# Altium PCB 转接板.PcbDoc (continued)
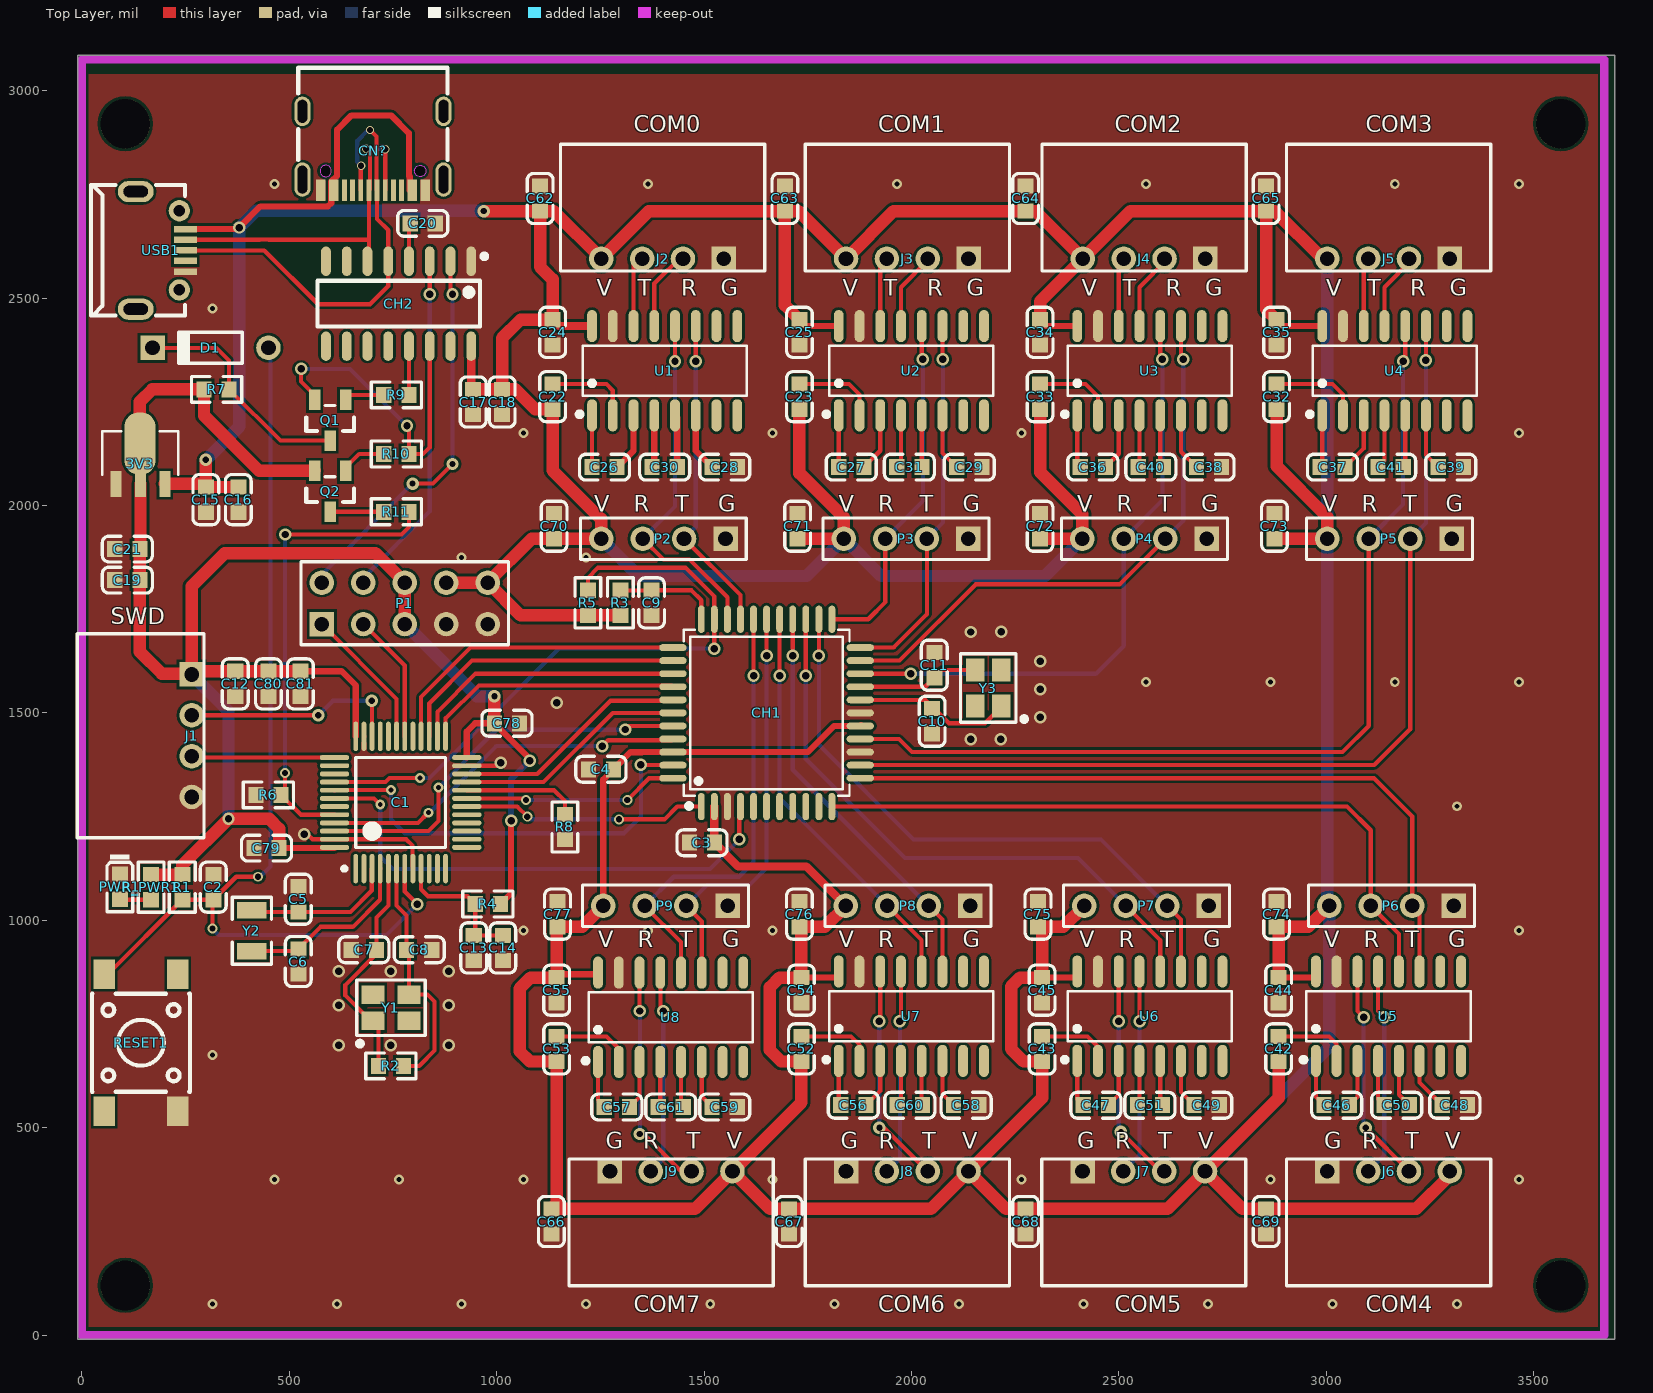
[diagram p0: Top Layer view]
## Part data
3V3: library part CJA1117B-ADJ, BOM_JLCPCB Part Class="Extended Part", BOM_Manufacturer=CJ, BOM_Manufacturer Part=CJA1117B-ADJ, BOM_Supplier=LCSC, BOM_Supplier Part=C107222, spicePre=U, spiceSymbolName=CJA1117B-ADJ
C1: "STM32 ARM-based 32-bit MCU with 64 Kbytes Flash, 48-pin LQFP, Industrial Temperature", ComponentLink1Description="Manufacturer Link", ComponentLink1URL=www.st.com/stm32, ComponentLink2Description=Datasheet, ComponentLink2URL=http://www.st.com/stonline/products/literature/ds/13587.pdf, DatasheetVersion="rev6, Mar-2008", PackageDescription="48-Pin Low-Profile Quad Flat Pack, 7 x 7 mm Body, 0.5 mm Pitch (LQFP48)", PackageReference=LQFP48, PackageVersion=Mar-2008, Published=30-May-2008, Publisher="Altium Limited"
C2 C9 C10 C11 C12 C14 C16 C18 C20 C21 C22 C23 C24 C25 C26 C27 C28 C29 C30 C31 C32 C33 C34 C35 C36 C37 C38 C39 C40 C41 C42 C43 C44 C45 C46 C47 C48 C49 C50 C51 C52 C53 C54 C55 C56 C57 C58 C59 C60 C61: library part "0603 100nF (104) 10% 50V", "贴片电容", Package=0603, SuppliersPartNumber=C14663, ComponentLink1Description=供应, ComponentLink1URL=http://www.szlcsc.com/product/details_15331.html, Supplier=LC
C3 C4: library part "0603 100pF (101) 5% 50V", "贴片电容", Package=0603, SuppliersPartNumber=C14858, ComponentLink1Description=供应, ComponentLink1URL=http://www.szlcsc.com/product/details_15530.html, Supplier=LC
C5 C6: library part "0603 10pF (100) 5% 50V", "贴片电容", Package=0603, SuppliersPartNumber=C1634, ComponentLink1Description=供应, ComponentLink1URL=http://www.szlcsc.com/product/details_1986.html, Supplier=LC
C7 C8: library part "0603 22pF (220) 5% 50V", "贴片电容", Package=0603, SuppliersPartNumber=C1653, ComponentLink1Description=供应, ComponentLink1URL=http://www.szlcsc.com/product/details_2005.html, Supplier=LC
C13 C17: library part "0603 10uF (106) 10% 10V", "贴片电容", Package=0603, SuppliersPartNumber=C19702, ComponentLink1Description=供应, ComponentLink1URL=http://www.szlcsc.com/product/details_20411.html, Supplier=LC
C15 C19: library part "0603 22uF (226) 20% 6.3V", "贴片电容", Package=0603, SuppliersPartNumber=C59461, ComponentLink1Description=供应, ComponentLink1URL=http://www.szlcsc.com/product/details_60514.html, Supplier=LC
C62 C63 C64 C65 C66 C67 C68 C69 C70 C71 C72 C73 C74 C75 C76 C77 C78 C79 C80 C81: library part "0603 1uF (105) 10% 50V", "贴片电容", Package=0603, SuppliersPartNumber=C15849, ComponentLink1Description=供应, ComponentLink1URL=http://www.szlcsc.com/product/details_16531.html, Supplier=LC
CH2: library part CH340G_[C14267], "USB", Package=SOIC-16_150mil, SuppliersPartNumber=C14267, ComponentLink1Description=供应, ComponentLink1URL=http://www.szlcsc.com/product/details_14927.html, Supplier=LC
CN?: BOM_Manufacturer="Korean Hroparts Elec", BOM_Manufacturer Part=TYPE-C-31-M-18, BOM_Supplier=LCSC, BOM_Supplier Part=C530609, Contributor=LCSC, spicePre=U, spiceSymbolName=TYPE-C-31-M-18
D1: library part "Diode 1N4148", "High Conductance Fast Diode", Code_JEDEC=DO-204-AH, ComponentLink1Description="Manufacturer Link", ComponentLink1URL=http://www.fairchildsemi.com/, ComponentLink2Description=Datasheet, ComponentLink2URL=http://www.fairchildsemi.com/ds/1N%2F1N4148.pdf, DatasheetVersion=1997, LatestRevisionDate=17-Jul-2002, LatestRevisionNote="Re-released for DXP Platform.", PackageDescription="Diode, Axial; Body 3.8 x 1.9 mm (LxDia. max), Lead Dia. 0.53 mm (max)", PackageReference=DO-35, Published=8-Jun-2000, Publisher="Altium Limited"
P1: library part "Header 5X2A", "Header, 5-Pin, Dual row", LatestRevisionDate=17-Jul-2002, LatestRevisionNote="Re-released for DXP Platform.", Publisher="Altium Limited"
P2 P3 P4 P5 P6 P7 P8 P9: "Header, 4-Pin", LatestRevisionDate=17-Jul-2002, LatestRevisionNote="Re-released for DXP Platform.", Publisher="Altium Limited"
PWR1: library part "0603 蓝灯", "发光二极管", Package=0603, SuppliersPartNumber=C72041, ComponentLink1Description=供应, ComponentLink1URL=http://www.szlcsc.com/product/details_73150.html, Supplier=LC
Q1: library part "SOT-23 SS8050 Y1", "三极管", Package=SOT-23, SuppliersPartNumber=C2150, ComponentLink1Description=供应, ComponentLink1URL=http://www.szlcsc.com/product/details_2507.html, Supplier=LC
Q2: library part "SOT-23 SS8550 Y2", "三极管", Package=SOT-23, SuppliersPartNumber=C8542, ComponentLink1Description=供应, ComponentLink1URL=http://www.szlcsc.com/product/details_9037.html, Supplier=LC
R1 R3 R4 R5 R6 R7 R8: library part "0603 10KΩ (1002) 1%", "贴片电阻", Package=0603, SuppliersPartNumber=C25804, ComponentLink1Description=供应, ComponentLink1URL=http://www.szlcsc.com/product/details_26547.html, Supplier=LC
R2: library part "0603 1MΩ (1004) 1%", "贴片电阻", Package=0603, SuppliersPartNumber=C22935, ComponentLink1Description=供应, ComponentLink1URL=http://www.szlcsc.com/product/details_23662.html, Supplier=LC
R9 R10 R11 R_PWR1: library part "0603 1KΩ (1001) 1%", "贴片电阻", Package=0603, SuppliersPartNumber=C21190, ComponentLink1Description=供应, ComponentLink1URL=http://www.szlcsc.com/product/details_21904.html, Supplier=LC
RESET1: BOM_Manufacturer="XKB Connectivity(中国", BOM_Manufacturer Part=TS-1102SD-C-C-B, BOM_Supplier=LCSC, BOM_Supplier Part=C2935209, Contributor=LCSC, spicePre=S, spiceSymbolName=TS-1102SD-C-C-B
U1 U2 U3 U4 U5 U6 U7 U8: BOM_JLCPCB Part Class="Extended Part", BOM_Manufacturer="Texas Instruments", BOM_Manufacturer Part=MAX232D, BOM_Supplier=LCSC, BOM_Supplier Part=C350552, Contributor=LCSC, spicePre=U, spiceSymbolName=MAX232D
USB1: BOM_JLCPCB Part Class="Extended Part", BOM_Manufacturer="SHOU HAN", BOM_Manufacturer Part=MicroXNJ, BOM_Supplier=LCSC, BOM_Supplier Part=C404969, Contributor=LCSC, spicePre=U, spiceSymbolName=MICROXNJ
Y1 Y3: library part "SMD-3225_4P  12MHZ 20PF 10PPM", "贴片晶振", Package=SMD-3225_4P, SuppliersPartNumber=C9002, ComponentLink1Description=供应, ComponentLink1URL=http://www.szlcsc.com/product/details_9522.html, Supplier=LC
Y2: library part "SMD-3215_2P 32.768KHz 20ppm 12.5pF", "贴片晶振", Package=SMD-3215_2P, SuppliersPartNumber=C32346, ComponentLink1Description=供应, ComponentLink1URL=http://www.szlcsc.com/product/details_33310.html, Supplier=LC

## Free pads (board coordinates)
  round 118.11 hole 120: 2(105,120) 2(105,2920) 2(3565,120) 2(3565,2920)

## Via types
v1: diameter 30, hole 18, Top Layer to Bottom Layer, tented both sides, 49 vias
v2: diameter 24, hole 12, Top Layer to Bottom Layer, 41 vias
v3: diameter 24, hole 15, Top Layer to Bottom Layer, 7 vias
v4: diameter 30, hole 15, Top Layer to Bottom Layer, 7 vias
v5: diameter 30, hole 18, Top Layer to Bottom Layer, 7 vias
v6: diameter 24, hole 12, Top Layer to Bottom Layer, tented both sides, 5 vias
v7: diameter 30, hole 15, Top Layer to Bottom Layer, tented both sides, 4 vias
v8: diameter 20, hole 15, Top Layer to Bottom Layer, 4 vias

## Nets (pads, with @x,y where several pads share a name; then routed paths per layer and width w, separated by ;. In a path a pad name is that pad's centre, name@x,y a point inside that pad or via, vN(x,y) a via of type N, cw(c..) or ccw(c..) an arc to the next point about the centre after c; other vN are vias at no path point)
3V3: 3V3.2 C1.24 C1.36 C1.48 C12.2 C19.2 C21.2 C78.2 C79.2 C80.2 C81.2 J1.1 P1.3 P1.8 Q2.2 R1.2 R4.2 R7.2 R_PWR1.1 | length 4577.6
  Top Layer w15: C79.2 C1.48@609.27,1174.07 ; C81.2 626.38,1600.32 660.45,1566.25 C1.36 ; C1.24 928.16,1455 948.16,1475 C78.2 1080,1389.68 v1(1080,1385) ; R4.2 1035,1065.21 v1(1035,1240) v1@1038.66,1236.34
  Top Layer w20: J1.1 J1.1@272.68,1600.32
  Top Layer w30: 3V3.2@140.32,2149.37 140.32,2250.32 170,2280 R7.2 294.69,2216.5 427.92,2083.27 Q2.2 ; 3V3.2@141.66,2051.97 141.66,1896.35 C21.2 C19.2 140.32,1647.32 193.27,1594.37 J1.1@265,1594.37 ; R_PWR1.1 R1.2 242.31,1132.96 v1(353.72,1244.37) 452.06,1244.37 475.63,1220.8 C79.2 ; J1.1 J1.1@265,1594.37 ; J1.1@272.68,1600.32 C12.2 C80.2 C81.2 ; P1.3 P1.8 707.77,1885 345,1885 265,1805 J1.1@265,1594.37 ; C78.2 v4(994.69,1540.32)
  Bottom Layer w15: v1(1035,1240) 1035,1340 v1(1080,1385)
  Bottom Layer w30: J1.1 353.72,1503.92 v1(353.72,1244.37) ; P1.3 952.45,1540.32 v4(994.69,1540.32)
5V: 3V3.3 C3.2 C4.2 C15.2 C16.2 C17.2 C18.1 C22.1 C23.1 C24.1 C25.1 C32.1 C33.1 C34.1 C35.1 C42.1 C43.1 C44.1 C45.1 C52.1 C53.1 C54.1 C55.1 C62.2 C63.2 C64.2 C65.2 C66.2 C67.2 C68.2 C69.2 C70.2 C71.2 C72.2 C73.2 C74.2 C75.2 C76.2 C77.2 CH1.2 CH1.16 CH1.42 CH2.16 CN?.A4 CN?.A9 CN?.B4 CN?.B9 J2.4 J3.4 J4.4 J5.4 J6.4 J7.4 J8.4 J9.4 P1.9 P1.10 P2.4 P3.4 P4.4 P5.4 P6.4 P7.4 P8.4 P9.4 R3.2 R5.2 U1.16 U2.16 U3.16 U4.16 U5.16 U6.16 U7.16 U8.16 USB1.1 | length 20650
  Top Layer w15: USB1.1 376.18,2666.18 v1(380,2670) 430.78,2720.78 593.42,2720.78 601.33,2728.69 601.33,2759.61 CN?.A9 601.61,2781.14 615.51,2795.04 615.51,2905.51 650,2940 746.24,2940 788.51,2897.74 788.51,2792.95 790.59,2792.95 CN?.B9 ; C17.2@938.72,2284.45 C17.2 ; C55.1 1152.75,870 1238.14,870 U8.16@1244.81,876.67 ; P9.4 1256.93,1339.28 C4.2 1322.65,1405 1350,1405 1350.51,1405.51 1750.51,1405.51 1813.5,1468.5 CH1.16 CH1.16@1878.07,1470 ; R3.2@1298.43,1734.88 R3.2 ; C23.1@1724.69,2237.38 C23.1 ; C25.1 1745.12,2432.58 U2.16 ; C54.1 1824.49,862.06 1824.62,862.19 U7.16 ; P3.4@1835,1917.95 P3.4 ; C34.1 2325.12,2432.58 U3.16 ; C45.1 2394.69,862.06 2399.54,866.91 U6.16 ; C35.1 2895.12,2432.58 U4.16 ; C44.1 2974.81,862.06 U5.16
  Top Layer w20: C17.2@938.72,2284.45 CH2.16 ; C24.1 1150.12,2432.58 U1.16 ; CH1.2 1524.8,1187.58 C3.2 1582.38,1130 1746.74,1130 P8.4
  Top Layer w30: 3V3.3 291.67,2051.97 C15.2 ; v4(299.11,2110) C15.2 ; C16.2 C15.2 ; P1.9 P1.10 ; C17.2 C18.1 ; v4(969.09,2709.68) C62.2 ; P9.4 1206.61,984.68 C77.2 1144.81,982.69 C55.1 1082.06,862.06 1055.32,835.32 1055.32,684.37 1080,659.69 C53.1 1144.81,317.1 C66.2 1477.72,304.29 J9.4 ; R3.2@1298.43,1734.88 R5.2 1057.89,1734.88 P1.10 ; C71.2 1833.27,1919.68 P3.4@1835,1917.95 ; C23.1 1730,2078.18 1836.93,1971.25 P3.4 ; C25.1 1695,2482.7 C63.2 ; P8.4 1791.42,984.68 C76.2 1734.81,979.88 C54.1 1682.06,862.06 1658.42,838.43 1658.42,687.44 1686.18,659.69 C52.1 1734.81,561.38 J9.4 ; J3.4@1843.59,2594.88 J3.4@1842.98,2595.5 ; C72.2 2411.65,1919.68 P4.4 2411.85,1978.77 2310,2080.63 C33.1 ; C34.1 2310,2491.73 J4.4 ; P7.4 2366.34,984.68 C75.2 2314.81,974.88 C45.1 2262.06,862.06 2240,840 2240,690 2270.31,659.69 C43.1 2314.81,572.17 J8.4 ; J4.4@2418.51,2594.88 J4.4@2415.83,2597.56 ; C73.2 3002.05,1919.68 P5.4 3002.24,1972.76 2880,2095 C32.1 ; C35.1 2855,2472.7 C65.2 ; C42.1 2884.81,572.17 J7.4 ; C44.1 2884.81,979.88 C74.2 2956.74,984.68 P6.4 ; J5.4 2990.35,2594.88 2875.55,2709.68 C65.2 ; J6.4 3297.64,385.59 3216.34,304.29 C69.2 2798.35,304.29 J7.4 ; P1.10 1084.34,1919.68 C70.2 1251.75,1919.68 P2.4 1251.95,1967.69 1135,2084.64 C22.1 1092.93,2232.07 1045.31,2279.69 C18.1 ; C18.1 1013.48,2403.48 1057.7,2447.7 C24.1 1135,2545 1105,2575 C62.2 ; C62.2 1137.56,2709.68 J2.4 1367.16,2709.68 C63.2 ; J9.4 1659.13,304.29 C67.2 2046.93,304.29 J8.4 ; C63.2 1727.56,2709.68 J3.4 J3.4@1842.98,2595.5 ; J3.4@1842.98,2595.5 1957.16,2709.68 C64.2 2298.35,2709.68 J4.4 ; J8.4 2228.35,304.29 C68.2 2616.93,304.29 J7.4 ; J4.4 J4.4@2415.83,2597.56 ; J4.4@2415.83,2597.56 2527.95,2709.68 C65.2
  Bottom Layer w15: P7.4@2407.29,1025.63 P7.4 ; P4.4 P4.4@2416.85,1924.88
  Bottom Layer w30: v4(299.11,2110) 380,2190.89 v1(380,2670) 420.2,2710.2 968.57,2710.2 v4(969.09,2709.68) ; P2.4@1251.75,1919.68 P2.4 1341.83,1830 1747.05,1830 P3.4 1926.81,1830 2321.97,1830 P4.4 ; P9.4@1256.62,1035.31 P9.4 ; P8.4@1841.42,1035.31 P8.4 ; P7.4@2416.34,1035.31 P7.4 ; J7.4 3007.05,694.41 P6.4 ; P6.4@3002.37,1030.31 P6.4 ; J5.4 3002.24,2594.77 P5.4 3002.24,1039.81 P6.4
A6/ALE: C1.42 CH1.4 | length 1229
  Top Layer w10: C1.42 704.66,1293.9 v6(719.5,1279.06) ; v1(1585,1195) 1585,1271.42 CH1.4
  Bottom Layer w10: v6(719.5,1279.06) 719.5,1154.29 749.79,1124 1514,1124 v1(1585,1195)
BOOT0: C1.44 R6.1 R11.1 | length 1131.8
  Top Layer w10: v3(490,1355.25) 490,1312.05 R6.1 528.15,1254.53 C1.44 ; v1(490,1930) 770.63,1930 788.72,1948.08 R11.1
  Bottom Layer w10: v3(490,1355.25) v1(490,1930) v1@498.4,1930
BOOT1: C1.20 R8.1 | length 279.6
  Top Layer w10: C1.20 1138.58,1313.58 1164.81,1287.36 R8.1
"CH340 D+": CH2.5 CN?.A6 CN?.B6 USB1.3 | length 1120.1
  Top Layer w10: USB1.3 440,2615 570,2485 694.64,2485 738.72,2529.07 CH2.5 738.72,2663.59 711.85,2690.46 CN?.A6 710.54,2761.18 710.54,2889.46 v8(695,2905) ; CN?.B6 672.48,2818.14 v8(673.4,2819.07)
  Bottom Layer w10: v8(673.4,2819.07) 664,2828.47 664,2878.98 690.02,2905 v8(695,2905)
"CH340 D-": CH2.6 CN?.A7 CN?.B7 USB1.2 | length 866.1
  Top Layer w10: USB1.2 428.82,2640.59 429.23,2641 450.77,2641 451.18,2640.59 691.58,2640.59 692.17,2640 ; v8(685,2860) 694.4,2850.6 694.4,2762.1 CN?.A7 692.17,2640 ; CH2.6 692.17,2592.23 692.17,2640 ; CN?.B7 v8(731.54,2858.46)
  Bottom Layer w10: v8(685,2860) 730,2860 v8(731.54,2858.46)
CS#: C1.41 CH1.43 | length 1042.2
  Top Layer w10: C1.41 609.74,1314.06 v6(745.32,1314.06) ; v1(1347.66,1375) 1348.64,1374.02 CH1.43
  Bottom Layer w10: v6@745.63,1314.06 v6(745.32,1314.06) 745.32,1243.71 779.03,1210 1307.16,1210 1347.66,1250.49 v1(1347.66,1375)
D0: C1.45 CH1.41 | length 899.5
  Top Layer w10: C1.45 810.79,1234.84 v6(835.32,1259.37) ; v1(1255,1420) 1269,1434 1421.99,1434 CH1.41
  Bottom Layer w10: v6(835.32,1259.37) 838.62,1259.37 999.25,1420 v1(1255,1420)
D1: C1.46 CH1.40 | length 968.2
  Top Layer w10: C1.46 836.1,1215.16 860.32,1239.37 v6(860.32,1320.5) ; v1(1310,1460) 1318.5,1468.5 CH1.40
  Bottom Layer w10: v6(860.32,1320.5) 999.19,1459.37 1309.37,1459.37 v1(1310,1460)
D2: C1.21 CH1.39 | length 565.9
  Top Layer w10: C1.21 1113.27,1333.27 1280,1500 CH1.39
D3: C1.22 CH1.38 | length 570.8
  Top Layer w10: C1.22 1097.95,1352.95 1274.36,1529.36 1422.87,1529.36 CH1.38
D4: C1.25 CH1.37 | length 627.5
  Top Layer w10: C1.25 876.98,1487.32 878.27,1487.32 957.26,1566.32 1421.68,1566.32 CH1.37 CH1.37@1425,1564.53
D5: C1.26 CH1.36 | length 664.9
  Top Layer w10: C1.26 857.3,1502.64 949.15,1594.49 CH1.36
D6: C1.27 CH1.35 | length 709.5
  Top Layer w10: C1.27 837.61,1522.95 940.64,1625.98 CH1.35
D7: C1.28 CH1.34 | length 751.2
  Top Layer w10: C1.28 817.93,1538.27 937.14,1657.48 CH1.34
GND: 3V3.1 C1.8 C1.23 C1.35 C1.47 C2.2 C3.1 C4.1 C5.2 C6.2 C7.1 C8.1 C9.1 C10.1 C11.1 C12.1 C13.1 C14.2 C15.1 C16.1 C17.1 C18.2 C19.1 C20.1 C21.1 C24.2 C25.2 C28.1 C29.1 C34.2 C35.2 C38.1 C39.1 C44.2 C45.2 C48.1 C49.1 C54.2 C55.2 C58.1 C59.1 C62.1 C63.1 C64.1 C65.1 C66.1 C67.1 C68.1 C69.1 C70.1 C71.1 C72.1 C73.1 C74.1 C75.1 C76.1 C77.1 C78.1 C79.1 C80.1 C81.1 CH1.3 CH1.14 CH1.17 CH2.1 CN?.A1 CN?.A12 CN?.B1 CN?.B12 J1.4 J2.1 J3.1 J4.1 J5.1 J6.1 J7.1 J8.1 J9.1 P1.4 P1.5 P2.1 P3.1 P4.1 P5.1 P6.1 P7.1 P8.1 P9.1 PWR1.K R6.2 R8.2 RESET1.2 U1.15 U2.15 U3.15 U4.15 U5.15 U6.15 U7.15 U8.15 USB1.5 | length 413.9
  Top Layer w10: v1(536.62,1207.05) 544.53,1207.05 556.1,1195.47 C1.47 782.1,1195.47 797.46,1180.11 797.46,1125.39 C1.8 ; C1.35 C1.35@680.91,1442.72 ; C1.23 1003.58,1372.64 v1(1010.32,1379.37)
  other v1: 620.03,699.37 745.32,699.37 885,699.37 620.03,795 885,795 620.03,877.43 745.32,877.43 885,877.43 1145,1525
  other v2: 315,75 615,75 915,75 1215,75 1515,75 1815,75 2115,75 2415,75 2715,75 3015,75 3315,75 465,375 765,375 1065,375 1665,375 2265,375 2865,375 3465,375 315,675 1065,975 1365,975 1665,975 3465,975 3315,1275 2565,1575 2865,1575 3165,1575 3465,1575 915,1875 1215,1875 1065,2175 1665,2175 2265,2175 3465,2175 315,2475 465,2775 1365,2775 1965,2775 2565,2775 3165,2775 3465,2775
  other v5: 2143.01,1437.01 2215,1437.01 2310,1490 2310,1557.43 2310,1625 2143.01,1695 2216.5,1695.61
INT: C1.40 CH1.32 R5.1 | length 1547.8
  Top Layer w10: C1.40 732,1333.27 741.84,1343.11 v6(815.32,1343.11) ; R5.1 1220,1825.46 1244.54,1850 1455,1850 1524.8,1780.2 CH1.32 v1(1524.8,1655)
  Bottom Layer w10: v6(815.32,1343.11) 838.11,1343.11 1150,1655 v1(1524.8,1655)
NetC1_9: C1.9 C13.2 C14.1 R4.1 | length 342.1
  Top Layer w10: C1.9 817.93,1074.84 834.66,1058.11 929.79,1058.11 R4.1 948.53,967.41 C13.2 C14.1
NetC20_2: C20.2 CH2.4 | length 92.4
  Top Layer w10: CH2.4 788.72,2677.09 C20.2
NetC22_2: C22.2 U1.2 | length 211.5
  Top Layer w10: C22.2 1264.69,2292.7 1280,2277.38 U1.2
NetC23_2: C23.2 U2.2 | length 205.5
  Top Layer w10: C23.2 1849.49,2292.7 1874.81,2267.38 U2.2
NetC26_1: C26.1 U1.3 | length 141.2
  Top Layer w15: C26.1 1330,2132.07 U1.3
NetC26_2: C26.2 U1.1 | length 124.9
  Top Layer w10: C26.2 1230,2092.7 U1.1
NetC27_1: C27.1 U2.3 | length 141.2
  Top Layer w10: C27.1 1924.81,2131.87 U2.3
NetC27_2: C27.2 U2.1 | length 124.9
  Top Layer w10: C27.2 1824.69,2217.06 U2.1
NetC28_2: C28.2 U1.6 | length 141.2
  Top Layer w15: U1.6 1480,2132.07 C28.2
NetC29_2: C29.2 U2.6 | length 139
  Top Layer w10: U2.6 2074.81,2126.67 C29.2
NetC30_1: C30.1 U1.5 | length 127
  Top Layer w15: U1.5 1435.32,2211.87 C30.1
NetC30_2: C30.2 U1.4 | length 127
  Top Layer w15: C30.2 1380,2097.7 U1.4
NetC31_1: C31.1 U2.5 | length 125
  Top Layer w10: U2.5 2024.81,2092.89 C31.1
NetC31_2: C31.2 U2.4 | length 129
  Top Layer w10: C31.2 1974.81,2102.5 U2.4
NetC32_2: C32.2 U4.2 | length 220.7
  Top Layer w10: C32.2 3014.69,2292.7 3040.12,2267.26 U4.2
NetC33_2: C33.2 U3.2 | length 197.6
  Top Layer w10: C33.2 2419.69,2292.7 2449.73,2262.65 U3.2
NetC36_1: C36.1 U3.3 | length 138.2
  Top Layer w10: C36.1 2499.73,2124.63 U3.3
NetC36_2: C36.2 U3.1 | length 127.8
  Top Layer w10: U3.1 2399.73,2099.5 C36.2
NetC37_1: C37.1 U4.3 | length 143.4
  Top Layer w10: C37.1 3090.12,2137.19 U4.3
NetC37_2: C37.2 U4.1 | length 127.1
  Top Layer w10: C37.2 2990.12,2097.82 U4.1
NetC38_2: C38.2 U3.6 | length 140.2
  Top Layer w10: U3.6 2649.73,2129.5 C38.2
NetC39_2: C39.2 U4.6 | length 137
  Top Layer w10: U4.6 3240.12,2121.94 C39.2
NetC40_1: C40.1 U3.5 | length 128
  Top Layer w10: U3.5 2599.73,2100.13 C40.1
NetC40_2: C40.2 U3.4 | length 126
  Top Layer w10: C40.2 2549.73,2095.26 U3.4
NetC41_1: C41.1 U4.5 | length 126.8
  Top Layer w10: C41.1 3190.12,2097.19 U4.5
NetC41_2: C41.2 U4.4 | length 131.2
  Top Layer w10: C41.2 3140.12,2107.82 U4.4
NetC42_2: C42.2 U5.2 | length 188.5
  Top Layer w10: C42.2 3006.74,720.32 3024.81,702.24 U5.2
NetC43_2: C43.2 U6.2 | length 145.1
  Top Layer w10: C43.2 2424.49,720.32 U6.2@2449.54,695.27
NetC46_1: C46.1 U5.3 | length 115.1
  Top Layer w10: C46.1 3074.81,573.98 U5.3
NetC46_2: C46.2 U5.1 | length 115.1
  Top Layer w10: U5.1 2974.81,573.98 C46.2
NetC47_1: C47.1 U6.3 | length 117.2
  Top Layer w10: C47.1 2499.54,579.02 U6.3
NetC47_2: C47.2 U6.1 | length 113.1
  Top Layer w10: U6.1 2399.54,568.93 C47.2
NetC48_2: C48.2 U5.6 | length 129.6
  Top Layer w10: U5.6 3224.81,608.98 C48.2
NetC49_2: C49.2 U6.6 | length 120.2
  Top Layer w10: U6.6 2649.54,586.1 C49.2
NetC50_1: C50.1 U5.5 | length 117.5
  Top Layer w10: U5.5 3174.81,579.61 C50.1
NetC50_2: C50.2 U5.4 | length 113.1
  Top Layer w10: U5.4 3124.81,568.98 C50.2
NetC51_1: C51.1 U6.5 | length 109.3
  Top Layer w10: U6.5 2599.54,559.88 C51.1
NetC51_2: C51.2 U6.4 | length 109.1
  Top Layer w10: C51.2 2549.54,559.33 U6.4
NetC52_2: C52.2 U7.2 | length 187.1
  Top Layer w10: C52.2 1854.49,720.32 1874.62,700.19 U7.2
NetC53_2: C53.2 U8.2 | length 193.8
  Top Layer w10: C53.2 1264.68,720.32 1294.54,690.46 U8.2
NetC56_1: C56.1 U7.3 | length 121.3
  Top Layer w10: C56.1 1924.62,588.78 U7.3
NetC56_2: C56.2 U7.1 | length 109
  Top Layer w10: U7.1 1824.62,559.17 C56.2
NetC57_1: C57.1 U8.3 | length 118.9
  Top Layer w10: C57.1 1344.54,574.42 U8.3
NetC57_2: C57.2 U8.1 | length 115
  Top Layer w10: U8.1 1244.54,564.95 C57.2
NetC58_2: C58.2 U7.6 | length 118.1
  Top Layer w10: U7.6 2074.62,581.1 C58.2
NetC59_2: C59.2 U8.6 | length 119.1
  Top Layer w10: U8.6 1494.54,574.95 C59.2
NetC60_1: C60.1 U7.5 | length 107.7
  Top Layer w10: U7.5 2024.62,556.05 C60.1
NetC60_2: C60.2 U7.4 | length 110.7
  Top Layer w10: C60.2 1974.62,563.16 U7.4
NetC61_1: C61.1 U8.5 | length 111.1
  Top Layer w10: U8.5 1444.54,555.58 C61.1
NetC61_2: C61.2 U8.4 | length 110.9
  Top Layer w10: C61.2 1394.54,555.05 U8.4
NetCH2_13: CH2.13 R9.2 | length 117.8
  Top Layer w10: CH2.13 788.72,2266.71 R9.2@789.03,2266.39
NetCH2_14: CH2.14 Q1.2 R10.2 | length 756.5
  Top Layer w10: v1(528.72,2329.06) 528.72,2298.99 Q1.2@561.31,2266.39 ; v1@788.72,2179.06 R10.2 822.65,2124.09 838.71,2140.16 CH2.14@838.71,2396.69
  Bottom Layer w10: v1(528.72,2329.06) 646.64,2329.06 v1(784.03,2191.66)
NetD1_2: D1.2 Q1.3 R7.1 | length 566.5
  Top Layer w10: D1.2 325,2380 355.32,2349.68 R7.1 479.02,2156.29 587.04,2156.29 Q1.3@598.71,2167.97
NetPWR1_A: PWR1.A R_PWR1.2 | length 75.4
  Top Layer w10: PWR1.A 93.1,1049.69 R_PWR1.2
NetQ1_1: Q1.1 R9.1 | length 92.3
  Top Layer w10: Q1.1@636.12,2266.39 R9.1 R9.1@728.4,2266.39
NetQ2_1: Q2.1 R10.1 | length 113.7
  Top Layer w10: Q2.1 636.12,2091.46 668.75,2124.09 R10.1
NetQ2_3: Q2.3 R11.2 | length 150.5
  Top Layer w10: Q2.3@598.71,1969.06 Q2.3 R11.2 R11.2@733.4,1984.84
OSC32_IN: C1.3 C5.1 Y2.2 | length 365
  Top Layer w10: Y2.2 413.81,1020.41 C5.1 647.52,1020.41 699.04,1071.92 699.04,1123.83 C1.3
OSC32_OUT: C1.4 C6.1 Y2.1 | length 435.3
  Top Layer w10: Y2.1 516.66,925.79 C6.1 575.25,984.37 653.4,984.37 718.72,1049.69 718.72,1123.83 C1.4
OSC_IN: C1.5 C7.2 R2.1 Y1.1 | length 554.9
  Top Layer w10: R2.1 715,744.88 Y1.1 696.42,757.87 635.32,818.98 635.32,844.37 710.32,919.37 C7.2 710.32,1006.6 739.19,1035.47 C1.5
OSC_OUT: C1.6 C8.2 R2.2 Y1.3 | length 593
  Top Layer w10: C1.6 758.87,1035.81 783.08,1011.6 C8.2 788.62,923.52 Y1.3 833.82,820.87 850.32,804.37 850.32,685.87 813.5,649.06 R2.2
PA9: C1.30 P1.2 | length 311.9
  Top Layer w10: P1.2 778.56,1614.21 C1.30
PA10: C1.31 P1.1 | length 345.2
  Top Layer w10: P1.1 758.87,1533.9 C1.31
RD#: C1.19 CH1.44 | length 520.2
  Top Layer w10: C1.19 1066.82,1293.9 v3(1070.72,1290) ; v3(1315.06,1290) 1367.58,1342.52 CH1.44
  Bottom Layer w10: v3(1070.72,1290) v3(1315.06,1290)
RESET: C1.7 C2.1 D1.1 R1.1 RESET1.3 | length 2490.6
  Top Layer w10: RESET1.3@50.89,869.72 RESET1.3@60.32,879.14 ; RESET1.3 62.97,870.35 R1.1 C2.1 ; v3(315,980) 315,1047.62 C2.1 ; v3(425,1105) 372.38,1105 C2.1 ; C1.7 778.56,1069.21 v1(808.72,1039.06)
  Bottom Layer w10: v3(315,980) 330,965 734.66,965 v1(808.72,1039.06) ; v3(425,1105) 429.76,1105 454.76,1130 454.76,2380 D1.1@454.76,2400
RST#: C9.2 CH1.33 R3.1 | length 250.6
  Top Layer w10: R3.1 1373.43,1795.44 C9.2 1469.49,1795.51 1493.31,1771.69 CH1.33
RXD: CH2.3 P1.7 | length 841
  Top Layer w10: v1(838.72,2509.06) CH2.3
  Bottom Layer w10: P1.7 678.71,1825.87 838.72,1985.87 v1(838.72,2509.06)
RXD0: CH1.31 P2.3 U1.12 | length 860.8
  Top Layer w10: P2.3 1401.83,1870 1465,1870 1556.3,1778.7 CH1.31 ; v1(1430,2347.38) U1.12
  Bottom Layer w10: P2.3 1430,1997.94 v1(1430,2347.38)
RXD0_232: J2.2 U1.13 | length 201.4
  Top Layer w10: U1.13 1380,2535 J2.2@1450,2605
RXD1: CH1.23 P3.3 U2.12 | length 850
  Top Layer w10: CH1.23 1895.79,1725.79 1936.93,1766.93 P3.3 ; U2.12 2024.81,2355.05 v1(2027.47,2352.38)
  Bottom Layer w10: P3.3 2027.47,2010.43 v1(2027.47,2352.38)
RXD1_232: J3.2 U2.13 | length 190.8
  Top Layer w10: U2.13 1974.81,2526.1 J3.2@2043.59,2594.88
RXD2: CH1.20 P4.3 U3.12 | length 1465.9
  Top Layer w10: CH1.20@1885.43,1594.37 v1(1998.56,1594.37) ; U3.12 2599.73,2357.65 v1(2605,2352.38)
  Bottom Layer w10: v1(1998.56,1594.37) 2444.37,1594.37 2511.85,1661.85 P4.3 2605,2013.03 v1(2605,2352.38)
RXD2_232: J4.2 U3.13 | length 190.8
  Top Layer w10: U3.13 2549.73,2526.1 J4.2@2618.51,2594.88
RXD3: CH1.15 P5.3 U4.12 | length 2264.8
  Top Layer w10: CH1.15 1970.26,1437.01 2001.54,1405.73 3039.04,1405.73 3102.24,1468.94 P5.3 ; v1(3185,2347.38) 3190.12,2352.5 U4.12
  Bottom Layer w10: P5.3 3185,2002.64 v1(3185,2347.38)
RXD3_232: J5.2 U4.13 | length 190.8
  Top Layer w10: U4.13 3140.12,2526.1 J5.2@3208.9,2594.88
RXD4: CH1.11 P6.3 U5.12 | length 1691
  Top Layer w10: CH1.11 3050,1274.21 3107.05,1217.16 P6.3 3174.81,967.24 U5.12
RXD4_232: J6.2 U5.13 | length 504
  Top Layer w10: U5.13 3124.81,781.46 v1(3139.79,766.48)
  Bottom Layer w10: J6.2 3139.79,434.01 v1(3139.79,766.48)
RXD5: CH1.25 P7.3 U6.12 | length 1447.3
  Top Layer w10: v1(1745.28,1590) CH1.25 ; P7.3 2599.54,952.12 U6.12
  Bottom Layer w10: v1(1745.28,1590) 1745.28,1389.3 1984.58,1150 2401.66,1150 P7.3
RXD5_232: J7.2 U6.13 | length 497.9
  Top Layer w10: U6.13 2549.54,757.06 v1(2549.81,756.79)
  Bottom Layer w10: J7.2 2549.81,434.02 v1(2549.81,756.79)
RXD6: CH1.27 P8.3 U7.12 | length 998.2
  Top Layer w10: v1@1682.28,1585 v1(1682.28,1590) 1682.28,1720.35 1685,1723.07 CH1.27 ; P8.3 2024.62,952.12 U7.12
  Bottom Layer w10: v1(1682.28,1590) 1682.28,1294.45 P8.3
RXD6_232: J8.2 U7.13 | length 495.7
  Top Layer w10: v1(1972.27,756.79) 1974.62,759.13 U7.13
  Bottom Layer w10: J8.2 1972.27,426.49 v1(1972.27,756.79)
RXD7: CH1.29 P9.3 U8.12 | length 1093.7
  Top Layer w10: P9.3 1444.54,947.39 U8.12 ; v1@1619.29,1585 v1(1619.29,1590) CH1.29
  Bottom Layer w10: P9.3 1426.93,1105 1584.21,1105 1619.29,1140.08 v1(1619.29,1590)
RXD7_232: J9.2 U8.13 | length 499.5
  Top Layer w10: U8.13@1394.81,876.67 1394.81,783.96 1397.29,781.48 v1(1401.61,781.48)
  Bottom Layer w10: J9.2 1401.61,425.04 v1(1401.61,781.48)
SWCLK: C1.37 J1.3 | length 339.8
  Top Layer w10: J1.3@270.32,1394.37 272.36,1392.32 C1.37
SWDIO: C1.34 J1.2 | length 533.8
  Top Layer w10: J1.2@266.27,1494.37 266.43,1494.21 v7(570,1494.21) ; v7(699.04,1529.36) 699.82,1528.58 699.82,1494.82 ; C1.34 699.82,1494.82 ; 700,1495 699.82,1494.82
  Bottom Layer w10: v7(570,1494.21) 605.15,1529.36 v7(699.04,1529.36)
TXD: CH2.2 P1.6 | length 935.9
  Top Layer w10: v7(797.46,2052.66) 846.38,2052.66 v7(893.72,2100) ; CH2.2 888.72,2514.06 v1(893.72,2509.06)
  Bottom Layer w10: P1.6 578.71,1833.91 v7(797.46,2052.66) ; v7(893.72,2100) v1(893.72,2509.06)
TXD0: CH1.30 P2.2 U1.11 | length 774.7
  Top Layer w10: P2.2 1587.8,1784.03 CH1.30 ; v1(1480,2347.38) U1.11
  Bottom Layer w10: P2.2 1480,1947.94 v1(1480,2347.38)
TXD0_232: J2.3 U1.14 | length 181.4
  Top Layer w10: U1.14 1330,2583.43 J2.3@1351.57,2605
TXD1: CH1.22 P3.2 U2.11 | length 896.6
  Top Layer w10: CH1.22 1957.2,1657.48 2037.68,1737.96 2037.68,1903.13 P3.2@2020.93,1919.88 ; U2.11 2074.81,2353.48 v1(2075.91,2352.38)
  Bottom Layer w10: P3.2@2048.24,1931.2 2075.91,1958.86 v1(2075.91,2352.38)
TXD1_232: J3.3 U2.14 | length 170.1
  Top Layer w10: U2.14 1924.81,2576.1 J3.3@1943.59,2594.88
TXD2: CH1.21 P4.2 U3.11 | length 1373.8
  Top Layer w10: CH1.21 1970.98,1625.98 2155,1810 2501.97,1810 P4.2 ; U3.11 2649.73,2357.65 v1(2655,2352.38)
  Bottom Layer w10: P4.2@2623.16,1931.2 2655,1963.03 v1(2655,2352.38)
TXD2_232: J4.3 U3.14 | length 170.1
  Top Layer w10: U3.14 2499.73,2576.1 J4.3@2518.51,2594.88
TXD3: CH1.13 P5.2 U4.11 | length 2349.3
  Top Layer w10: CH1.13 3115.51,1374.02 3202.24,1460.75 P5.2 ; v1(3240.12,2349.88) U4.11
  Bottom Layer w10: P5.2 3240.12,1957.76 v1(3240.12,2349.88) v1@3240,2349.75
TXD3_232: J5.3 U4.14 | length 170.1
  Top Layer w10: U4.14 3090.12,2576.1 J5.3@3108.9,2594.88
TXD4: CH1.12 P6.2 U5.11 | length 1749.8
  Top Layer w10: CH1.12 3115,1342.52 3207.05,1250.47 P6.2 3224.81,1017.24 U5.11
TXD4_232: J6.3 U5.14 | length 533.2
  Top Layer w10: U5.14 3074.81,781.46 v1(3089.79,766.48) ; v4(3095,500) 3199.21,395.79 J6.3
  Bottom Layer w10: v1(3089.79,766.48) 3089.79,505.21 v4(3095,500)
TXD5: CH1.24 P7.2 U6.11 | length 1475.2
  Top Layer w10: v1(1776.77,1637.99) CH1.24 ; P7.2 2649.54,1002.12 U6.11
  Bottom Layer w10: v1(1776.77,1637.99) 1776.77,1423.23 2005,1195 2456.66,1195 P7.2
TXD5_232: J7.3 U6.14 | length 532.5
  Top Layer w10: U6.14 2499.54,757.06 v1(2499.81,756.79) ; v4(2505,490) 2600,395 J7.3
  Bottom Layer w10: v1(2499.81,756.79) 2499.81,495.19 v4(2505,490)
TXD6: CH1.26 P8.2 U7.11 | length 981.6
  Top Layer w10: 1713.78,1655 CH1.26 ; P8.2 2074.62,1002.12 U7.11
  Bottom Layer w10: v1(1713.78,1637.99) 1713.78,1362.96 P8.2
TXD6_232: J8.3 U7.14 | length 539.9
  Top Layer w10: v1(1922.27,756.79) 1924.62,759.13 U7.14 ; v4(1922.87,500) 1934.21,500 J8.3
  Bottom Layer w10: v1@1920.74,755.26 v1(1922.27,756.79) 1922.27,500.6 v4(1922.87,500)
TXD7: CH1.28 P9.2 U8.11 | length 995.8
  Top Layer w10: P9.2 1494.54,997.39 U8.11 ; 1650.79,1655 CH1.28
  Bottom Layer w10: P9.2 1506.93,1085 1610,1085 1650.79,1125.79 v1(1650.79,1637.99) v1@1647.29,1634.5
TXD7_232: J9.3 U8.14 | length 554.3
  Top Layer w10: U8.14@1344.81,876.67 1344.81,781.99 v1(1345.32,781.48) ; v4(1345,485) 1355,485 1445,395 J9.3
  Bottom Layer w10: v4(1345,485) 1345.32,485.32 v1(1345.32,781.48)
WR#: C1.18 CH1.1 | length 590.6
  Top Layer w10: C1.18 1049.66,1274.21 v3(1074.04,1249.83) ; v3(1295,1243.48) 1404.66,1243.48 1435.39,1274.21 CH1.1
  Bottom Layer w10: v3(1074.04,1249.83) 1080.38,1243.48 v3(1295,1243.48)
XI: C10.2 CH1.18 Y3.1 | length 401.8
  Top Layer w10: CH1.18@1857.01,1531.5 CH1.18 2033.82,1531.5 2055,1510.31 2090.31,1475 2177.56,1475 2216.5,1513.93 Y3.1
XO: C11.2 CH1.19 Y3.3 | length 293.6
  Top Layer w10: CH1.19 2033.31,1562.99 C11.2 2073.62,1603.31 Y3.3
pads on no net: C1.1 C1.2 C1.10 C1.11 C1.12 C1.13 C1.14 C1.15 C1.16 C1.17 C1.29 C1.32 C1.33 C1.38 C1.39 C1.43 CH1.5 CH1.6 CH1.7 CH1.8 CH1.9 CH1.10 CH2.7 CH2.8 CH2.9 CH2.10 CH2.11 CH2.12 CH2.15 CN?.1 CN?.2 CN?.3 CN?.4 CN?.A5 CN?.A8 CN?.B5 CN?.B8 RESET1.1 RESET1.4 U1.7 U1.8 U1.9 U1.10 U2.7 U2.8 U2.9 U2.10 U3.7 U3.8 U3.9 U3.10 U4.7 U4.8 U4.9 U4.10 U5.7 U5.8 U5.9 U5.10 U6.7 U6.8 U6.9 U6.10 U7.7 U7.8 U7.9 U7.10 U8.7 U8.8 U8.9 U8.10 USB1.4 USB1.6 USB1.7 USB1.8 USB1.9 Y1.2 Y1.4 Y3.2 Y3.4

## Polygon pours and split planes (outlines as drawn)
GND on Bottom Layer "Bottom Layer-GND" (solid, remove dead copper, pour order 12): 10.02,3040 3695,3040 3695,20 19.79,20
GND on Top Layer "Top Layer-GND" (solid, remove dead copper, pour order 10): 15,3040 3695,3040 3695,20 15,20

## Keep-outs
Keep-Out Layer:
  lines w20: 0,0 0,3000 0,3030 0,3041.25 0,3063.75 0,3075 3670,3075 3670,0 0,0

## Silkscreen, mask and mechanical layers (free items; w line width, h text height)
Top Overlay:
  text "COM0" at 1330,2900 h40
  text "COM1" at 1920,2900 h40
  text "COM2" at 2490,2900 h40
  text "COM3" at 3094.57,2900 h40
  text "V" at 1241.66,2505.12 h40
  text "T" at 1340.52,2505.12 h40
  text "R" at 1445,2505.12 h40
  text "G" at 1540,2505.12 h40
  text "V" at 1834.7,2505.12 h40
  text "T" at 1933.56,2505.12 h40
  text "R" at 2038.04,2505.12 h40
  text "G" at 2133.04,2505.12 h40
  text "V" at 2410,2505.12 h40
  text "T" at 2508.86,2505.12 h40
  text "R" at 2613.34,2505.12 h40
  text "G" at 2708.34,2505.12 h40
  text "V" at 2999.25,2505.12 h40
  text "T" at 3098.11,2505.12 h40
  text "R" at 3202.59,2505.12 h40
  text "G" at 3297.59,2505.12 h40
  text "V" at 1235.91,1985 h40
  text "R" at 1330.79,1985 h40
  text "T" at 1430.79,1985 h40
  text "G" at 1534.25,1985 h40
  text "V" at 1825,1985 h40
  text "R" at 1919.88,1985 h40
  text "T" at 2019.88,1985 h40
  text "G" at 2123.34,1985 h40
  text "V" at 2399.73,1985 h40
  text "R" at 2494.61,1985 h40
  text "T" at 2594.61,1985 h40
  text "G" at 2698.07,1985 h40
  text "V" at 2990.12,1985 h40
  text "R" at 3085,1985 h40
  text "T" at 3185,1985 h40
  text "G" at 3288.46,1985 h40
  text "SWD" at 70,1714.06 h40
  text "V" at 1245.12,935.12 h40
  text "R" at 1340,935.12 h40
  text "T" at 1440,935.12 h40
  text "G" at 1543.46,935.12 h40
  text "V" at 1825,935.12 h40
  text "R" at 1919.88,935.12 h40
  text "T" at 2019.88,935.12 h40
  text "G" at 2123.34,935.12 h40
  text "V" at 2405,935.12 h40
  text "R" at 2499.88,935.12 h40
  text "T" at 2599.88,935.12 h40
  text "G" at 2703.34,935.12 h40
  text "V" at 2995,935.12 h40
  text "R" at 3089.88,935.12 h40
  text "T" at 3189.88,935.12 h40
  text "G" at 3293.34,935.12 h40
  text "G" at 1262.63,450 h40
  text "R" at 1353.77,450 h40
  text "T" at 1458.29,450 h40
  text "V" at 1554.81,450 h40
  text "G" at 1830,450 h40
  text "R" at 1921.14,450 h40
  text "T" at 2025.66,450 h40
  text "V" at 2122.18,450 h40
  text "G" at 2399.54,450 h40
  text "R" at 2490.68,450 h40
  text "T" at 2595.2,450 h40
  text "V" at 2691.72,450 h40
  text "G" at 2995,450 h40
  text "R" at 3086.14,450 h40
  text "T" at 3190.66,450 h40
  text "V" at 3287.18,450 h40
  text "COM7" at 1330,55 h40
  text "COM6" at 1920,55 h40
  text "COM5" at 2490,55 h40
  text "COM4" at 3094.57,55 h40
Bottom Overlay:
  text "TX" at 614.55,1878.29 h40
  text "RX" at 707.03,1878.29 h40
  text "3V3" at 830,1878.29 h40
  text "5V" at 917.03,1878.29 h40
  text "5V" at 1012.03,1878.29 h40
  text "PA10" at 605,1610 h40
  text "PA9" at 737.38,1610 h40
  text "3V3" at 858.77,1610 h40
  text "G" at 904.05,1610 h40
  text "G" at 996.63,1610 h40
  text "3v3" at 135.03,1575 h40
  text "SWDIO" at 208.34,1475 h40
  text "SWCLK" at 215,1370 h40
  text "GND" at 135.03,1275 h40
  text "CH438转接板" at 834.83,380 h80
  text "制板人：后羿" at 834.83,300 h80
  text "2022年10月5日更新" at 835,225 h80
Mechanical 1:
  the board outline again, w20